# Altium PCB HYDRA_V3_NAV.PcbDoc (part 2 of 2) (continued)
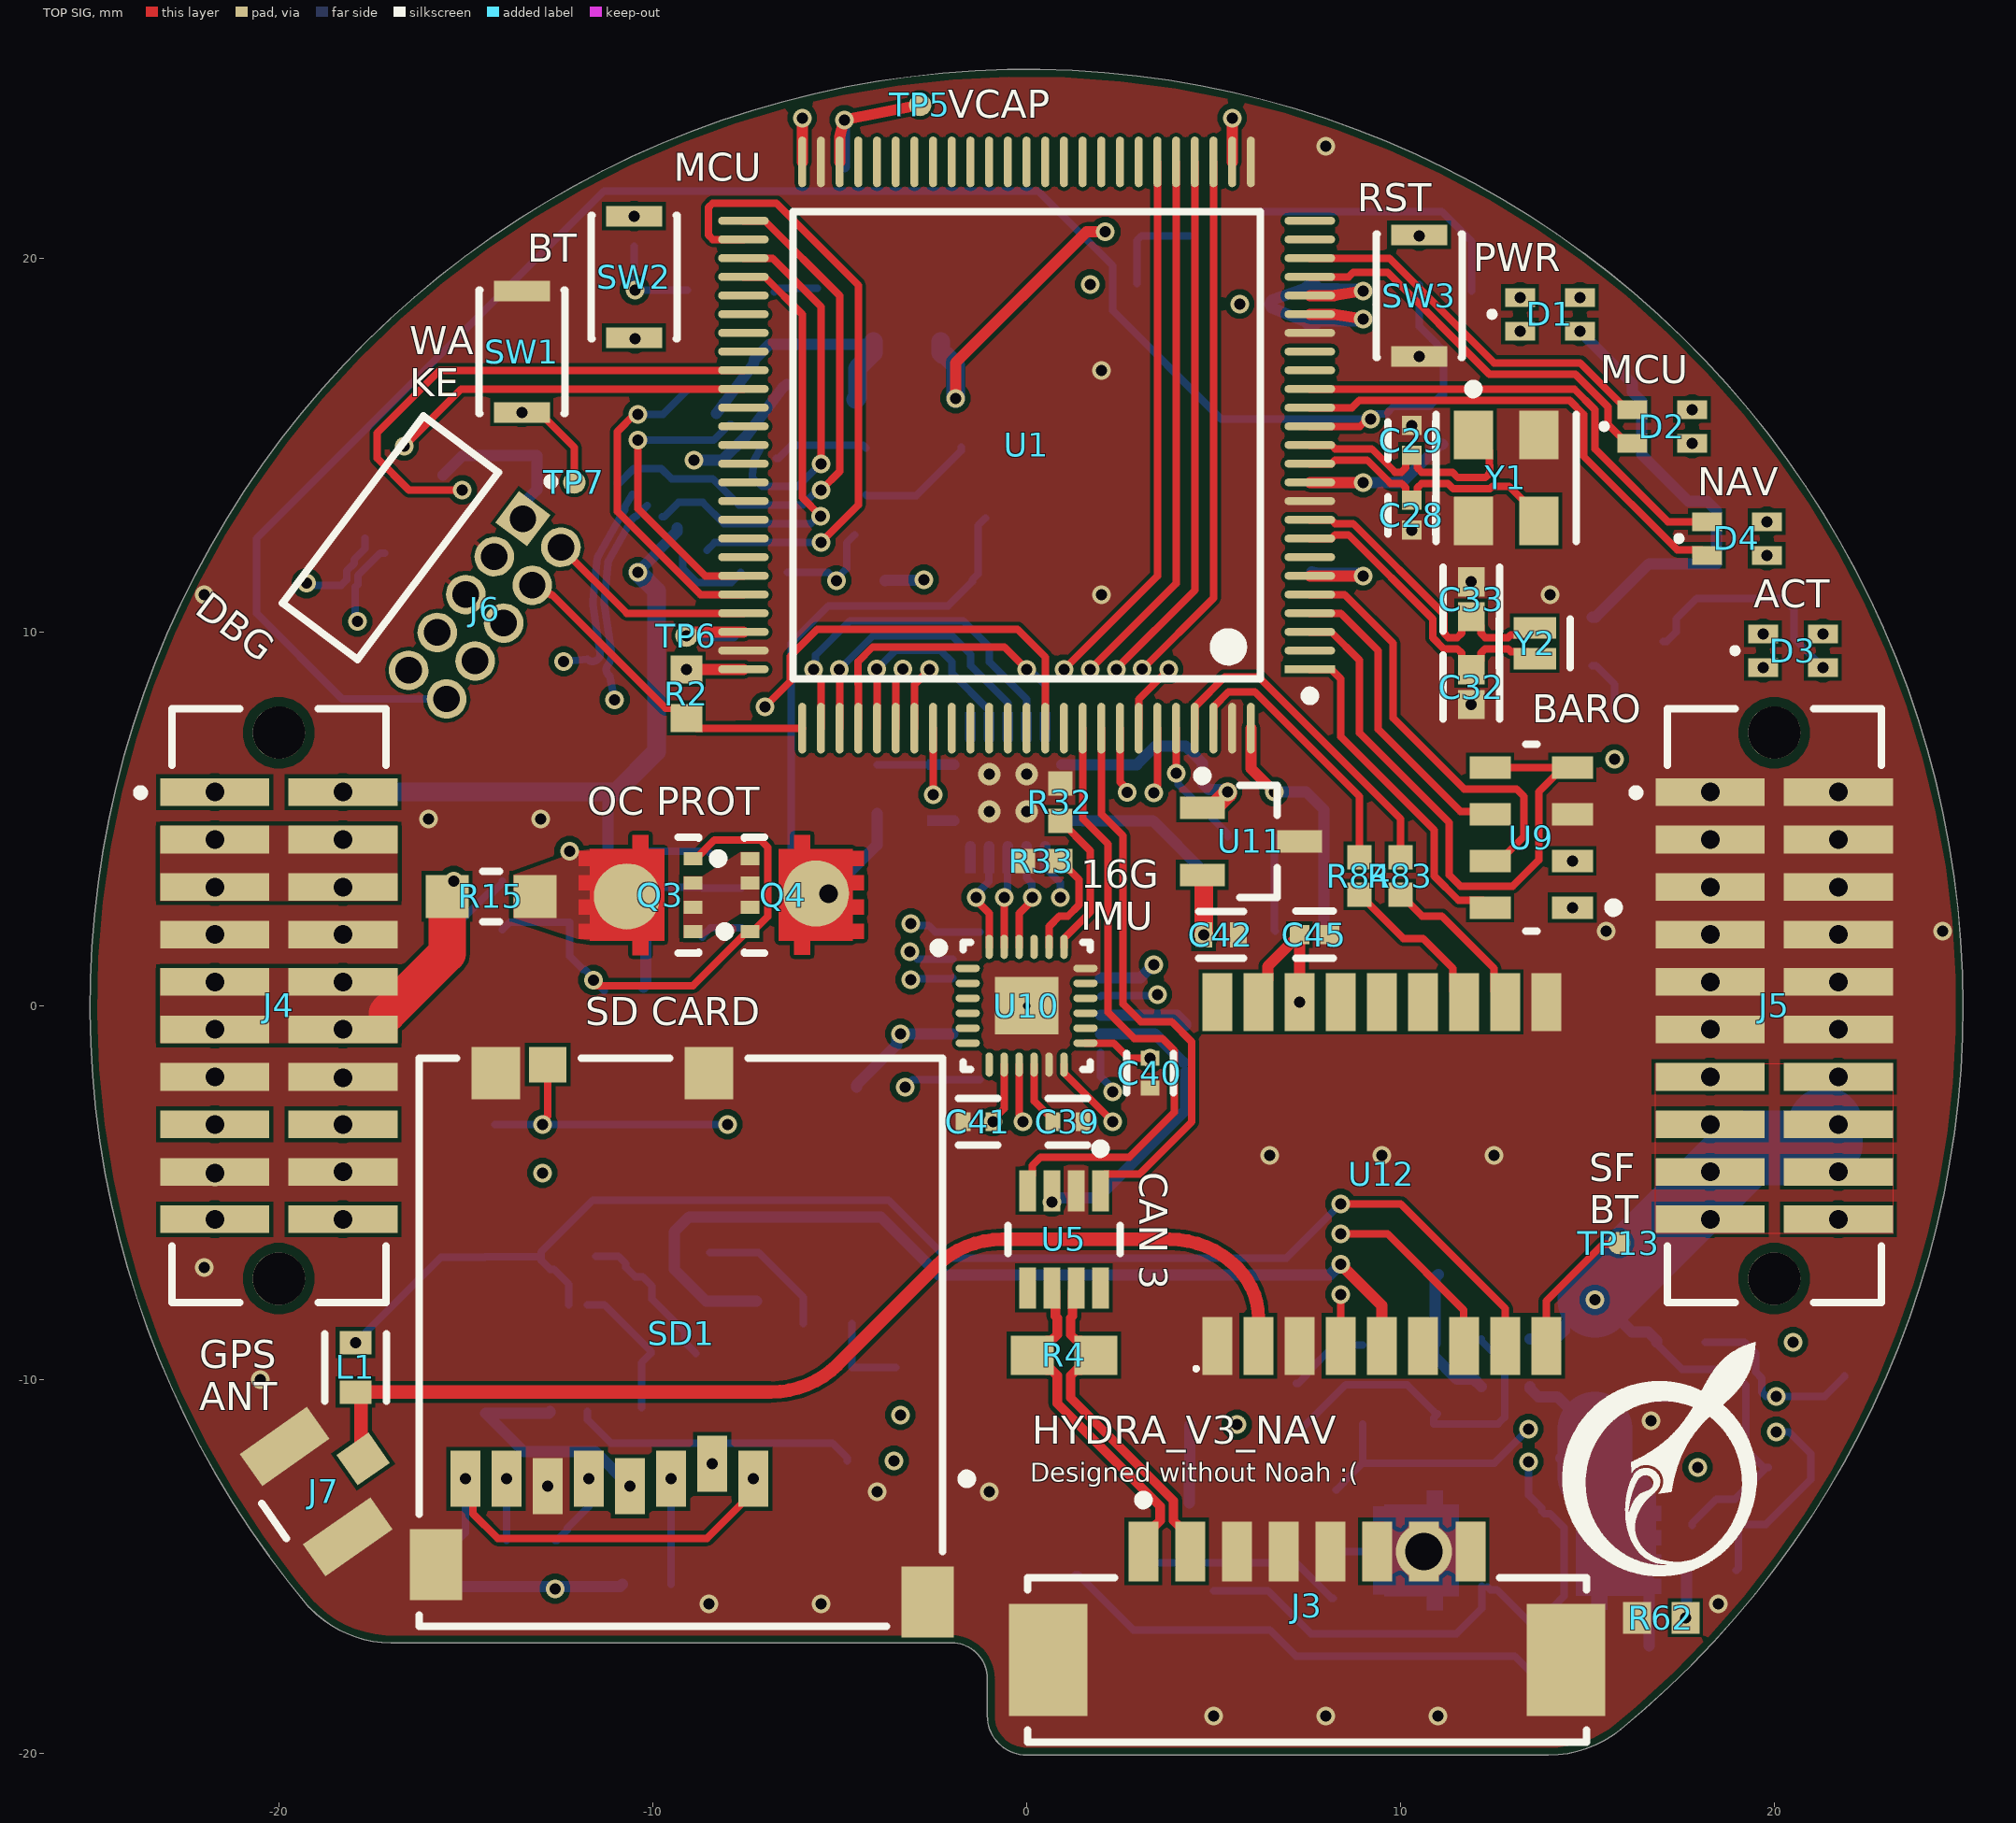
[diagram p0: TOP SIG view]
## Nets (pads, with @x,y where several pads share a name; then routed paths per layer and width w, separated by ;. In a path a pad name is that pad's centre, name@x,y a point inside that pad or via, vN(x,y) a via of type N, cw(c..) or ccw(c..) an arc to the next point about the centre after c; other vN are vias at no path point) (continued)
  other v3: -1,5.2 0,5.2 -1,6.2 0,6.2
GPS_ENABLE: R49.1 U1.96 | length 3.5
  TOP SIG w0.2: v1(4,6.225) U1.96@4,7.425
  BOTTOM SIG w0.2: v1(4,6.225) 4.057,6.168 4.057,5.918 5.375,4.6 R49.1@5.375,4.525
GPS_PWR: C45.1 Q8.3 U12.16 U12.17 | length 3.6
  TOP SIG w0.3: U12.17@6.275,0.525 6.45,0.7 6.45,1.05 C45.1@7.3,1.9 7.3,0.125 U12.16@7.35,0.075
  other v1: 7.3,0.1
GPS_RESET: U12.18
I_SENSE: R69.2 U15.1 | length 2.2
  BOTTOM SIG w0.2: R69.2@7.21,-10.111 7.263,-10.111 7.491,-9.883 7.491,-9.83 8.235,-9.086 U15.1@8.985,-9.086
IMU0_MISO: U1.30 U8.9 | length 25.7
  TOP SIG w0.2: v1(1.704,8.996) 1.704,9.004 4,11.3 U1.30@4,22.575
  GND w0.2: v1(1.704,8.996) 1.704,7.306 1.5,7.102 1.5,2.293 3.493,0.3 v1(3.5,0.3)
  BOTTOM SIG w0.2: U8.9@1.975,0.25 2,0.275 3.475,0.275 v1(3.5,0.3)
IMU0_MOSI: U1.31 U8.1 | length 25.7
  TOP SIG w0.2: v1(1,9) 3.5,11.5 U1.31@3.5,22.575
  GND w0.2: v1(-3.1,2.2) -3.1,6 -0.7,8.4 0.4,8.4 v1(1,9)
  BOTTOM SIG w0.2: v1(-3.1,2.2) -3.043,2.143 -2.618,2.143 -2.45,1.975 U8.1@-1.25,1.975
IMU0_nCS: U1.28 U8.23 | length 30.8
  TOP SIG w0.2: v1(3.096,9.004) 5,10.907 U1.28@5,22.575
  GND w0.2: v1(-3.1,0.7) -4.1,1.7 -4.1,6.5 -0.6,10 2.107,10 3.096,9.011 v1(3.096,9.004)
  BOTTOM SIG w0.2: v1(-3.1,0.7) -3.075,0.725 -2,0.725 U8.23@-1.975,0.75
IMU0_nRESET: R31.1 U1.83 U8.18 | length 12
  TOP SIG w0.2: v1(-2.5,5.65) U1.83@-2.5,7.425
  PWR + INT SIG w0.2: v1(-3.25,-2.175) -2.5,-1.425 v1(-2.5,5.65)
  BOTTOM SIG w0.2: v1(-3.25,-2.175) -3.05,-1.975 U8.18@-1.25,-1.975
IMU0_ODR: U1.93 U8.12 | length 11.2
  TOP SIG w0.2: U1.93@2.5,7.425 2.5,5.981 2.696,5.785 v1(2.696,5.704)
  PWR + INT SIG w0.2: v1(2.3,-2.3) 2.3,-1.627 2.302,-1.625 2.302,5.298 2.696,5.693 v1(2.696,5.704)
  BOTTOM SIG w0.2: U8.12@1.975,-1.25 1.975,-1.894 2.3,-2.219 v1(2.3,-2.3)
IMU0_SCLK: U1.29 U8.24 | length 28.3
  TOP SIG w0.2: v1(2.404,8.996) 2.404,9.018 4.5,11.114 U1.29@4.5,22.575
  GND w0.2: v1(-3.119,1.45) -3.2,1.45 -3.6,1.85 -3.6,6.3 -0.4,9.5 1.907,9.5 2.404,9.004 v1(2.404,8.996)
  BOTTOM SIG w0.2: v1(-3.119,1.45) -2.919,1.25 U8.24@-1.975,1.25
IMU1_MISO: U1.79 U16.13 | length 8.3
  TOP SIG w0.2: U1.79@-4.5,7.425 -4.5,8.604 -4.504,8.608 -4.504,9.211 -4.114,9.6 -0.6,9.6 v1(0,9)
  BOTTOM SIG w0.2: v1(0,9) 0.081,9 0.5,8.581 U16.13@0.5,7.7
IMU1_MOSI: U1.80 U16.10 | length 6.1
  TOP SIG w0.2: v1(-4.004,9.004) -4.002,9.002 -4.002,7.426 U1.80@-4,7.425
  BOTTOM SIG w0.2: v1(-4.004,9.004) -4.004,9.011 -3.511,9.504 -2.304,9.504 -2,9.2 -2,8.9 -1.01,7.91 -1.01,7.435 U16.10@-1,7.425
IMU1_nCS: U1.77 U16.12 | length 9.7
  TOP SIG w0.2: v1(-5.7,9) -5.7,8.919 -5.5,8.719 U1.77@-5.5,7.425
  BOTTOM SIG w0.2: v1(-5.7,9) -5.643,9.057 -5.643,9.378 -4.72,10.3 -1.7,10.3 -1,9.6 -1,9.2 0,8.2 U16.12@0,7.7
IMU1_ODR: U1.95 U10.12 | length 13.1
  TOP SIG w0.2: U10.12@1,-1.575 1,-1.8 v1(2.3,-3.1) ; v1(3.4,5.7) 3.4,5.781 3.5,5.881 U1.95@3.5,7.425
  PWR + INT SIG w0.2: v1(2.3,-3.1) 2.8,-2.6 2.8,5.1 v1(3.4,5.7)
IMU1_SCLK: U1.78 U16.11 | length 7.8
  TOP SIG w0.2: v1(-5.004,9) -5.002,8.998 -5.002,7.426 U1.78@-5,7.425
  BOTTOM SIG w0.2: v1(-5.004,9) -4.104,9.9 -2,9.9 -1.5,9.4 -1.5,9.1 -0.5,8.1 U16.11@-0.5,7.7
INT_5V_SENSE: R8.1 R10.1 | length 1.2
  BOTTOM SIG w0.2: R10.1@-6.75,19.1 -6.65,19.2 R8.1@-5.6,19.2
LNA_EN: R52.1 U12.4 | length 14.5
  TOP SIG w0.2: U12.4@8.4,-9.1 v1(8.4,-7.725)
  PWR + INT SIG w0.2: v1(-3.375,-10.95) -0.15,-7.725 v1(8.4,-7.725)
MCU_G_LED: D2.1 U1.22 | length 10.8
  TOP SIG w0.2: U1.22@7.575,19.5 8.617,19.5 8.742,19.625 9.65,19.625 12.377,16.898 14.675,16.898 15.55,16.023 15.55,15.55 16.05,15.05 D2.1@16.2,15.05
MCU_R_LED: D2.4 U1.23 | length 10.3
  TOP SIG w0.2: U1.23@7.575,20 9.702,20 12.502,17.2 14.8,17.2 16.05,15.95 D2.4@16.2,15.95
NAV_G_LED: D4.1 U1.15 | length 13.1
  TOP SIG w0.2: U1.15@7.575,16 8.7,16 8.898,16.198 11.71,16.198 11.713,16.195 14.525,16.195 14.898,15.822 14.898,14.702 17.4,12.2 18.05,12.2 D4.1@18.2,12.05
NAV_R_LED: D4.4 U1.16 | length 12.7
  TOP SIG w0.2: U1.16@7.575,16.5 14.647,16.5 15.2,15.947 15.2,14.9 17.15,12.95 D4.4@18.2,12.95
NetC12_2: C12.2 C13.2 TP5.1 U1.48 | length 4.5
  TOP SIG w0.3: U1.48@-5,22.575 -5,23.209 cw(c-4.7,23.209) -4.989,23.289 v1(-4.875,23.7) TP5.1@-2.85,24.1
  BOTTOM SIG w0.3: C12.2@-4.875,22.45 v1(-4.875,23.7)
NetC14_2: C14.2 C17.2 TP6.1 U1.73 | length 2.8
  TOP SIG w0.3: v1(-9.1,9.9) -9.046,9.9 -8.946,10 U1.73@-7.575,10
  BOTTOM SIG w0.3: v1(-9.1,9.9) C14.2@-7.85,9.9
NetC16_1: C16.1 U4.4 | length 1.4
  BOTTOM SIG w0.2: U4.4@-10.125,4.137 C16.1@-8.675,4.137
NetC25_2: C25.2 R6.2 R7.2 SW1.1 TP7.1 | length 15.8
  TOP SIG w0.2: v1(-13.5,15.875) -13.025,15.875 -12.85,15.7 -12.85,15.687 -12.1,14.937 TP7.1@-12.1,14
  GND w0.2: v1(-13.5,15.875) -9,11.375 v1(-5.09,11.375)
  BOTTOM SIG w0.2: R7.2@-6.4,11.6 -5.315,11.6 v1(-5.09,11.375) -5.09,11.425 -4.815,11.7 -4.815,12.385 C25.2@-4.6,12.6
NetC38_2: C38.2 U8.10 | length 2.4
  BOTTOM SIG w0.3: U8.10@1.975,-0.25 4.025,-0.25 4.25,-0.475 C38.2@4.25,-0.525
NetC39_2: C39.2 U10.10 | length 1.7
  TOP SIG w0.2: U10.10@0.2,-1.575 0.2,-2.55 0.7,-3.05 C39.2@0.7,-3.1
NetC48_1: C48.1 R61.1 R64.2 U14.4 | length 5.1
  BOTTOM SIG w0.2: R61.1@18.15,-9 R64.2@19.2,-9 19.5,-9.3 19.5,-9.8 19.669,-9.969 19.669,-10.344 19.775,-10.45 21.35,-10.45 21.875,-9.925 C48.1@21.875,-9.904
  other v1: 20.05,-10.45
NetD1_1: D1.1 R79.1
  other v1: 13.2,18.05
NetD1_4: D1.4 R80.2
  other v1: 13.2,18.95
NetD2_2: D2.2 R22.1
  other v1: 17.8,15.05
NetD2_3: D2.3 R25.1
  other v1: 17.8,15.95
NetD3_1: D3.1 R19.2
  other v1: 19.7,9.05
NetD3_2: D3.2 Q5.3 | length 6.2
  BOTTOM SIG w0.2: Q5.3@17.025,9.75 17.125,9.75 17.375,10 17.375,10.35 17.925,10.9 20.225,10.9 20.525,10.6 20.525,9.825 v1(21.3,9.05)
NetD3_4: D3.4 R20.1
  other v1: 19.7,9.95
NetD4_2: D4.2 R28.1
  other v1: 19.8,12.05
NetD4_3: D4.3 R30.1
  other v1: 19.8,12.95
NetD5_2: D5.2 R36.2 | length 1.2
  BOTTOM SIG w0.2: D5.2@-8.675,1.827 -8.675,1.867 -8.455,2.087 R36.2@-7.625,2.087
NetD7_2: D7.2 R62.2 | length 1.3
  BOTTOM SIG w0.3: v1(17.625,-16.375) 17.655,-16.345 D7.2@17.655,-15.1
NetQ3_1: Q3.1 Q3.2 Q3.3 Q4.1 Q4.2 Q4.3
NetQ5_1: Q5.1 R18.2 | length 1.6
  BOTTOM SIG w0.2: Q5.1@15.125,9.1 15.225,9.1 15.725,8.6 R18.2@15.725,7.85
NetQ6_1: Q6.1 R24.1 R35.2 | length 3.2
  BOTTOM SIG w0.2: R24.1@-4.3,13.675 -4.275,13.65 R35.2@-3,13.65 -2.95,13.65 -2,14.6 -1.75,14.85 Q6.1@-1.75,14.95
NetQ6_3: Q6.3 R21.1 R23.1 | length 14
  BOTTOM SIG w0.2: R23.1@-6.45,3.187 -6.3,3.337 -6.3,9.7 -5.3,10.7 -2.1,10.7 -1.45,11.35 R21.1@-1.45,11.4 -1.3,11.55 -1.3,12.85 Q6.3@-1.1,13.05
NetQ8_1: Q8.1 R48.1 R49.2 | length 2.5
  BOTTOM SIG w0.2: R49.2@6.625,4.525 6.625,2.025 Q8.1@6.65,2
NetQ9_1: Q9.1 Q10.2 R50.1 | length 3.7
  BOTTOM SIG w0.2: Q9.1@-8.475,-6.6 R50.1@-7.225,-6.6 -7.175,-6.6 -5.975,-7.8 Q10.2@-5.975,-8.5
NetQ9_3: Q9.3 R51.2 R53.2 | length 4.2
  BOTTOM SIG w0.2: R51.2@-11.525,-6.7 -10.925,-6.7 -10.725,-6.9 -10.725,-7 -10.475,-7.25 Q9.3@-10.375,-7.25 -10.275,-7.25 -10.025,-7.5 -10.025,-7.85 -9.15,-8.725 -9.15,-9 R53.2@-8.85,-9.3
NetQ10_1: Q10.1 R52.2 R54.2 | length 2.4
  BOTTOM SIG w0.2: Q10.1@-4.675,-8.5 R54.2@-4.675,-9.675 R52.2@-3.5,-9.675
NetQ11_1: Q11.1 Q11.2 Q11.3 Q12.1 Q12.2 Q12.3
NetQ14_1: Q14.1 R67.1 R68.2 | length 2.1
  BOTTOM SIG w0.3: 4.35,-13.3 R68.2@4.35,-12.507 4.362,-12.494 4.362,-11.219 R67.1@4.375,-11.207
NetQ17_1: Q17.1 R75.2 R81.1 | length 2.6
  BOTTOM SIG w0.2: R81.1@2.95,19.325 2.95,20.475 R75.2@3.075,20.6 Q17.1@4.35,20.6
NetQ17_3: Q17.3 R80.1 | length 7.3
  BOTTOM SIG w0.2: Q17.3@6.25,21.25 11.1,21.25 11.9,20.45 R80.1@11.9,19.125
NetR7_1: R7.1 U6.9 | length 2.2
  BOTTOM SIG w0.2: U6.9@-9.2,12.09 -9.2,11.7 -8.825,11.325 -7.9,11.325 -7.65,11.575 R7.1@-7.65,11.6
NetR16_1: R16.1 R17.2 | length 1.9
  BOTTOM SIG w0.2: R17.2@-15.325,2.037 -15.325,2.087 -14.4,3.012 -14.3,3.012 -14.025,3.287 R16.1@-14.025,3.337
NetR26_2: R26.2 SW2.1
  other v1: -10.475,17.85
NetR27_2: R27.2 SW3.1
  other v1: 10.5,20.6
NetR32_1: R32.1 U10.19 | length 4
  TOP SIG w0.2: R32.1@0.9,4.95 1.702,4.148 1.702,2.502 1,1.8 U10.19@1,1.575
NetR33_1: R33.1 U10.20 | length 3
  TOP SIG w0.2: U10.20@0.6,1.575 0.6,2.12 0.88,2.4 1.107,2.4 1.4,2.693 1.4,3.375 R33.1@0.9,3.875
NetR34_1: R34.1 U16.8 | length 1.5
  BOTTOM SIG w0.2: R34.1@-4,6.45 U16.8@-2.51,6.45
NetR56_2: R56.2 U13.4 | length 7.7
  BOTTOM SIG w0.2: U13.4@-11.75,-10.85 -11.75,-11.075 -11.725,-11.1 -11.125,-11.7 -5.2,-11.7 -4.8,-12.1 R56.2@-4.8,-12.175
NetR69_1: R69.1 R70.2 U15.4 | length 9.3
  BOTTOM SIG w0.2: R69.1@7.21,-11.413 7.263,-11.413 8.539,-10.137 10.172,-10.137 U15.4@10.885,-10.85 ; U15.4@10.991,-10.923 U15.4@10.885,-11.03 ; R70.2@12.16,-8.912 12.16,-8.962 12.787,-9.588 12.787,-11.012 12.611,-11.187 U15.4@10.885,-11.187 ; U15.4@10.885,-11.187 U15.4@10.885,-11.03 ; U15.4@10.885,-11.187 U15.4@10.885,-11.03
NetR71_2: R71.2 R72.2 U15.3 | length 3.8
  BOTTOM SIG w0.3: R72.2@11.011,-7.187 10.929,-7.269 10.929,-9.042 U15.3@10.885,-9.086 10.885,-9.362 11.517,-9.994 11.967,-9.994 R71.2@12.16,-10.187
NetR82_2: R82.2 U9.2
  other v1: 14.6,3.875
NetR83_1: R83.1 U1.97 | length 9
  TOP SIG w0.2: U1.97@4.5,7.425 4.5,7.996 5.304,8.8 6.2,8.8 10,5 R83.1@10,3.975
NetR84_1: R84.1 U1.98 | length 7.4
  TOP SIG w0.2: U1.98@5,7.425 5,7.996 5.404,8.4 6.1,8.4 8.9,5.6 R84.1@8.9,3.975
NetTP13_1: TP13.1 U12.9 | length 3.8
  TOP SIG w0.2: U12.9@13.9,-9.1 13.9,-7.9 15.426,-6.374 15.826,-6.374 TP13.1@15.85,-6.35
POST_SHUNT: Q11.5-6-7-8 R59.2 R63.2 R71.1 U14.3 | length 14
  BOTTOM SIG w0.3: R71.1@13.46,-10.187 13.46,-10.237 13.685,-10.462 14.197,-10.462 R59.2@15.06,-11.325 ; R59.2@14.285,-12.1 R59.2@15.06,-11.325 ; Q11.5-6-7-8@15.835,-14.563 16.65,-15.378 R63.2@16.65,-17.125 ; 15.835,-13.23 16.38,-13.775 ; U14.3@18.287,-10.45 U14.3@17.95,-10.45 16.215,-10.45 15.34,-11.325 R59.2@15.2,-11.325 R59.2@15.06,-11.325
  BOTTOM SIG w2: R59.2@15.2,-11.325 15.2,-12.595 15.835,-13.23 Q11.5-6-7-8@15.835,-14.563
PRE_5V: J1.03 J1.04 J1.05 J1.06 J4.03 J4.04 J4.05 J4.06
  other v2: -21.715,3.175 -18.285,3.175 -21.715,4.445 -18.285,4.445
PRE_IMU1_MISO: U10.9 U16.2 | length 9.2
  TOP SIG w0.2: U10.9@-0.2,-1.575 -0.2,-2.919 -0.1,-3.019 v1(-0.1,-3.1)
  GND w0.2: v1(-0.1,-3.1) 0.9,-2.1 v1(0.9,2.9)
  BOTTOM SIG w0.2: U16.2@0.5,3.975 0.5,3.69 0.9,3.29 v1(0.9,2.9)
PRE_IMU1_MOSI: U10.24 U16.5 | length 2.4
  TOP SIG w0.2: v1(-1.35,2.9) -1.35,2.822 -1,2.472 U10.24@-1,1.575
  BOTTOM SIG w0.2: v1(-1.35,2.9) -1.35,2.981 -1.01,3.321 U16.5@-1.01,3.677
PRE_IMU1_nCS: U10.22 U16.3 | length 2.6
  TOP SIG w0.2: U10.22@-0.2,1.575 -0.2,2.472 0.15,2.822 v1(0.15,2.9)
  BOTTOM SIG w0.2: U16.3@0,3.975 0,3.415 0.144,3.272 0.144,2.906 v1(0.15,2.9)
PRE_IMU1_SCLK: U10.23 U16.4 | length 2.1
  TOP SIG w0.2: U10.23@-0.6,1.575 -0.6,2.281 v1(-0.6,2.9)
  BOTTOM SIG w0.2: v1@-0.608,2.908 -0.608,2.974 -0.508,3.074 U16.4@-0.508,3.682
PRE_SHUNT: C49.1 J2.13 J2.14 J2.15 J2.16 J2.17 J2.18 J2.19 J2.20 J5.13 J5.14 J5.15 J5.16 J5.17 J5.18 J5.19 J5.20 R59.1 R60.2 R61.2 R70.1 U14.6 U15.6 | length 32.2
  PWR + INT SIG w0.3: v1(13.425,-11.325) 14.183,-10.567 14.483,-10.567 15.202,-9.848 v1(15.202,-7.873)
  BOTTOM SIG w0.2: C49.1@8.275,-12.95 8.296,-12.95 8.483,-12.764 8.483,-12.742 8.985,-12.24 ; U15.6@8.985,-11.187 8.985,-12.24 ; v1(13.425,-11.325) 12.51,-12.24 8.985,-12.24 ; R61.2@16.85,-9 16.85,-9.05 17.525,-9.725 18.819,-9.725 19.246,-10.153 19.246,-11.883 19.713,-12.35 19.835,-12.35 19.802,-12.35 18.952,-13.2 18.45,-13.2 17.8,-13.85 R60.2@17.8,-13.9
  BOTTOM SIG w0.3: R70.1@13.46,-8.912 14.163,-8.912 14.385,-8.69 14.385,-8.55 15.06,-7.875 R59.1@15.2,-7.875 ; v1(15.202,-7.873) 15.338,-7.873 16.19,-8.725 16.625,-8.725 16.85,-8.95 R61.2@16.85,-9
  BOTTOM SIG w2: R59.1@15.2,-7.875 v1(15.202,-7.873) 19.27,-3.805 21.255,-3.805 21.365,-3.695 J2.16@21.365,-3.175
  other v2: 18.285,-5.715 21.715,-5.715 18.285,-4.445 21.715,-4.445 18.285,-3.175 21.715,-3.175 18.285,-1.905 21.715,-1.905
RESETN: C1.1 C31.1 J6.10 R27.1 R29.2 U1.14 | length 52.1
  TOP SIG w0.2: U1.14@7.575,15.5 8.92,15.5 9.119,15.698 v1(9.2,15.698)
  BOTTOM SIG w0.2: J6.10@-15.514,8.207 -18.307,8.207 -20.6,10.5 -20.6,12.5 -11.3,21.8 0.3,21.8 2.3,19.8 2.3,18.6 5.202,15.698 v1(9.2,15.698) C31.1@9.212,15.687 9.354,15.829 9.614,15.829 9.822,16.037 10.787,16.037 11.075,16.325 R29.2@11.125,16.325 11.15,16.35 11.15,17.525 10.962,17.713 10.962,17.719 10.844,17.837 10.838,17.837 C1.1@10.5,18.175 R27.1@10.5,19.3
RF_IN: J7.1 L1.2 U12.2 | length 29.4
  TOP SIG w0.355: J7.1@-17.751,-12.125 -17.803,-12.073 -17.803,-10.484 L1.2@-17.95,-10.338 -6.84,-10.338 ccw(c-6.84,-7.798) -5.044,-9.594 -2.444,-6.994 cw(c-0.648,-8.79) -0.648,-6.25 3.823,-6.25 cw(c3.823,-8.79) 5.619,-6.994 5.65,-7.025 cw(c4.322,-8.353) 6.2,-8.353 U12.2@6.2,-9.1
RXD: R84.2 U12.12 | length 4.3
  TOP SIG w0.2: R84.2@8.9,2.975 10.075,1.8 10.6,1.8 11.4,1 11.4,0.4 U12.12@11.7,0.1
SD_CD: R42.1 R43.2 SD1.9 U1.82 | length 25.7
  TOP SIG w0.2: v1(-12.95,-3.175) -12.95,-3.094 -12.81,-2.954 SD1.9@-12.81,-1.575 ; U1.82@-3,7.425 -3,8.593 -2.6,8.993 v1(-2.6,9)
  GND w0.2: v1(-8,-3.175) -8,6.5 -7.6,6.9 -4.7,6.9 v1(-2.6,9)
  BOTTOM SIG w0.2: R43.2@-14.225,-3.175 v1(-12.95,-3.175) v1(-8,-3.175)
SD_CLK: R44.1 SD1.5 U1.52 U6.8 | length 48.7
  TOP SIG w0.2: U1.52@-7.575,20.5 -8.391,20.5 -8.508,20.617 -8.508,21.358 -8.391,21.475 -6.7,21.475 -4.5,19.275 -4.5,13.4 v1(-5.5,12.4)
  GND w0.2: v1(-11.71,-12.66) -10,-10.95 -10,7.3 -6.425,10.875 -4.883,10.875 -4.59,11.168 -4.59,11.89 -5.1,12.4 v1(-5.5,12.4)
  BOTTOM SIG w0.2: R44.1@-12.61,-14.3 -12.56,-14.3 -12.285,-14.025 -12.285,-13.975 -11.71,-13.4 v1(-11.71,-12.66) ; U6.8@-8.553,12.18 -8.341,12.391 -5.509,12.391 v1(-5.5,12.4)
SD_CMD: R45.1 SD1.3 U1.54 U6.11 | length 44.9
  TOP SIG w0.2: U1.54@-7.575,19.5 -7.004,19.5 -6,18.496 -6,13.593 v1(-5.507,13.1)
  GND w0.2: v1(-9.51,-12.66) -9.51,7.09 -6.2,10.4 -4.6,10.4 -4.1,10.9 -4.1,12.2 -5,13.1 v1(-5.507,13.1)
  BOTTOM SIG w0.2: U6.11@-9.751,13.082 -9.692,13.082 -9.31,13.465 -8.665,13.465 -8.1,12.9 -5.767,12.9 -5.567,13.1 v1(-5.507,13.1) ; R45.1@-9.51,-15.475 v1(-9.51,-12.66)
SD_CS: SD1.2 U1.81 | length 26.8
  TOP SIG w0.2: U1.81@-3.5,7.425 -3.5,8.726 -3.304,8.922 v1(-3.304,9.004)
  GND w0.2: v1(-8.41,-12.26) -8.467,-12.203 -8.467,-12.043 -8.517,-11.993 -8.517,6.683 -7.8,7.4 -4.9,7.4 -3.304,8.996 v1(-3.304,9.004)
SD_DAT0: R46.1 SD1.7 U1.53 U6.6 | length 48.3
  TOP SIG w0.2: U1.53@-7.575,20 -6.8,20 -5.5,18.7 v1(-5.5,14.5)
  GND w0.2: v1(-13.91,-12.66) -13.17,-13.4 -9.5,-13.4 -9,-12.9 -9,6.9 -6,9.9 -4.313,9.9 -3.6,10.613 -3.6,12.607 -5.493,14.5 v1(-5.5,14.5)
  BOTTOM SIG w0.2: R46.1@-13.91,-14.3 v1(-13.91,-12.66) ; U6.6@-7.095,14.945 -7.287,14.603 -7.34,14.218 -7.34,14.122 -7.271,14.054 -7.067,13.9 -6.107,13.9 -5.507,14.5 v1(-5.5,14.5)
SD_DAT_PULL_UP: R47.1 SD1.1 SD1.8 | length 11.4
  TOP SIG w0.2: v1(-15.01,-12.66) -14.807,-12.863 -14.807,-13.593 -14.15,-14.25 -8.55,-14.25 -7.31,-13.01 v1(-7.31,-12.66)
  BOTTOM SIG w0.2: R47.1@-15.21,-14.3 -15.01,-14.1 v1(-15.01,-12.66)
SHDN_3V3: D5.1 R23.2 U4.5 | length 2.6
  BOTTOM SIG w0.2: U4.5@-10.125,3.187 -10.105,3.167 -8.695,3.167 D5.1@-8.675,3.147 -7.64,3.147 R23.2@-7.6,3.187
SWCLK: J6.04 R2.2 U1.76 | length 8.8
  TOP SIG w0.2: J6.04@-13.221,11.25 -12.989,11.25 -12.738,10.999 -12.699,10.999 -9.662,7.962 -9.362,7.962 -8.825,7.425 -7.796,7.425 ; -7.796,7.425 U1.76@-6,7.425
SWDIO: J6.02 U1.72 | length 5.6
  TOP SIG w0.2: J6.02@-12.457,12.264 -10.693,10.5 U1.72@-7.575,10.5
SWO: J6.06 U1.89 | length 18.9
  TOP SIG w0.2: v1(-7,8) -6.325,8.675 -6.325,9.35 -5.6,10.075 -0.25,10.075 0.5,9.325 U1.89@0.5,7.425
  PWR + INT SIG w0.254: J6.06@-13.986,10.236 -11.736,10.236 -9.5,8 v1(-7,8)
TXD: R83.2 U12.11 | length 4.3
  TOP SIG w0.2: R83.2@10,2.975 10.575,2.4 11.1,2.4 12.5,1 12.5,0.4 U12.11@12.8,0.1
V_SENSE: R65.2 R66.2 | length 5.8
  BOTTOM SIG w0.2: R66.2@2.9,-15.225 3.225,-14.9 7.2,-14.9 8.15,-15.85 R65.2@8.2,-15.85
VCC: C24.2 C27.2 D1.3 J1.01 J1.02 J4.01 J4.02 R6.1 R13.1 R21.2 U4.6 U6.10 U7.1 | length 61.3
  TOP SIG w0.3: v1(-1.9,16.25) -1.9,17.2 1.604,20.704 v1(2.104,20.704)
  PWR + INT SIG w0.5: v1(-10.4,11.6) -5.75,16.25 v1(-1.9,16.25) -0.35,14.7 -0.35,13.8 v1(-2.75,11.4)
  GND w0.3: v1(2.104,20.704) 2.6,21.2 12.55,21.2 v1(14.8,18.95)
  BOTTOM SIG w0.3: -11.2,5.715 -11.2,2.975 -10.462,2.237 U4.6@-10.125,2.237 -10.187,2.175 -10.187,0.563 R13.1@-10.25,0.5 ; v1(-10.4,11.6) -9.905,12.095 -9.905,12.131 -9.352,12.684 U6.10@-9.352,12.781 ; R6.1@-3.79,11.375 -3.778,11.387 -2.763,11.387 v1(-2.75,11.4)
  BOTTOM SIG w0.5: v2(-18.285,5.715) -10.985,5.715 C24.2@-9.9,6.8 -9.9,7.81 -9.894,7.816 -9.894,11.094 v1(-10.4,11.6) ; U7.1@-2.3,17.775 -2.3,17.475 -2.25,17.425 -2.193,17.425 -1.9,17.132 v1(-1.9,16.25)
  other v2: -21.715,5.715
VCC_RF: Q9.2 R50.2 U12.5 | length 24.9
  TOP SIG w0.3: v1(8.4,-6.917) 9.5,-8.017 U12.5@9.5,-9.1
  BOTTOM SIG w0.3: R50.2@-7.225,-7.9 Q9.2@-8.475,-7.9 -8.575,-7.9 -9.425,-7.05 -9.425,-6.05 -9.025,-5.65 -3.9,-5.65 -2.35,-7.2 8.117,-7.2 v1(8.4,-6.917)
VDDA: C10.1 C11.2 C20.1 C21.2 FB1.2 U1.20 U1.21 | length 8.5
  TOP SIG w0.3: U1.20@7.575,18.5 8.177,18.5 cw(c8.177,18.2) 8.223,18.496 v1(9,18.375) ; U1.21@7.575,19 8.201,19 ccw(c8.201,19.3) 8.249,19.004 v1(9,19.125)
  BOTTOM SIG w0.3: C10.1@7.625,19.396 C10.1@7.645,19.374 ; v1(9,18.375) 8.9,18.325 7.811,18.311 C20.1@7.625,18.104 7.439,18.311 6.55,18.675 FB1.2@6.5,18.775 6.55,18.875 7.439,19.189 C10.1@7.645,19.374 ; C11.2@9,19.15 8.9,19.175 7.811,19.189 C10.1@7.645,19.374
X32_N: C33.1 U1.9 Y2.2 | length 8.4
  TOP SIG w0.2: U1.9@7.575,13 8.15,13 8.249,12.901 8.733,12.901 11.165,10.469 11.165,9.968 11.282,9.851 11.521,9.851 11.638,9.968 11.638,10.153 C33.1@11.894,10.409 12.15,10.153 12.15,9.968 12.267,9.851 12.631,9.851 12.875,9.851 12.95,9.925 13.406,9.925 Y2.2@13.594,10.113
X32_P: C32.1 U1.8 Y2.1 | length 8.4
  TOP SIG w0.2: U1.8@7.575,12.5 8.15,12.5 8.249,12.599 8.608,12.599 10.863,10.344 10.863,9.843 11.157,9.549 11.521,9.549 11.638,9.432 11.638,9.247 C32.1@11.894,8.991 12.15,9.247 12.15,9.432 12.267,9.549 12.506,9.549 12.875,9.549 12.95,9.475 13.406,9.475 Y2.1@13.594,9.288
X_N: C29.1 U1.13 Y1.1 | length 7
  TOP SIG w0.2: U1.13@7.575,15 8.15,15 8.249,14.901 9.233,14.901 9.858,14.276 10.029,14.276 10.146,14.393 10.146,14.571 C29.1@10.3,14.725 10.454,14.571 10.454,14.393 10.571,14.276 11.389,14.276 11.537,14.128 12.272,14.128 12.389,14.245 12.389,14.445 12.375,14.459 12.375,14.85 Y1.1@11.95,15.275
X_P: C28.1 U1.12 Y1.3 | length 7.5
  TOP SIG w0.2: U1.12@7.575,14.5 8.15,14.5 8.249,14.599 9.108,14.599 9.733,13.974 10.029,13.974 10.146,13.857 10.146,13.679 C28.1@10.3,13.525 10.454,13.679 10.454,13.857 10.571,13.974 11.264,13.974 11.412,13.827 12.397,13.827 12.462,13.892 12.908,13.892 13.7,13.1 Y1.3@13.7,12.975
pads on no net: J1. J2. J4. J5. J6.07 J6.08 J6.09 U1.2 U1.7 U1.17 U1.18 U1.24 U1.25 U1.32 U1.33 U1.34 U1.35 U1.36 U1.37 U1.38 U1.39 U1.40 U1.41 U1.42 U1.43 U1.44 U1.45 U1.46 U1.47 U1.55 U1.56 U1.57 U1.58 U1.61 U1.62 U1.63 U1.64 U1.65 U1.66 U1.67 U1.68 U1.69 U1.84 U1.85 U1.86 U1.87 U1.88 U1.90 U2.5 U2.8 U5.5 U5.8 U8.6 U8.13 U8.19 U8.21 U10.1 U10.2 U10.3 U10.4 U10.5 U10.6 U10.7 U10.14 U10.15 U10.16 U10.17 U10.21 U12.6 U12.13 U12.14 U12.15 U13.1 U15.5 U16.6 U16.9
copper on no net:
  other v6: 0,0

## Polygon pours and split planes (outlines as drawn)
GND on TOP SIG "GND_L01_P022" (solid, remove dead copper, pour order 22): -15.806,-19.201 ccw(c-13.96,-17) -13.96,-19.873 13.96,-19.873 ccw(c13.96,-17) 15.806,-19.201 cw(c15.888,-19.298) 15.949,-19.186 ccw(c0,0) 24.95,0 ccw(c0,0) -15.949,-19.186 cw(c-15.888,-19.298)
PRE_5V on TOP SIG "PRE_5V_L01_P003" (solid, remove dead copper, pour order 3): -23.175,4.815 -16.825,4.815 -16.825,2.805 -23.175,2.805
3V3_PRE_SHUNT on TOP SIG "3V3_PRE_SHUNT_L01_P007" (solid, remove dead copper, pour order 7): -23.175,1.005 -16.825,1.005 -16.825,-1.005 -23.175,-1.005
3V3_POST_SHUNT on TOP SIG "3V3_POST_SHUNT_L01_P017" (solid, remove dead copper, pour order 17): -13.725,3.497 -11.975,4.135 -11.7,4.185 -9.695,4.185 -9.695,1.735 -11.65,1.735 -11.675,1.735 -12.013,1.785 -13.725,2.347
NetQ3_1 on TOP SIG "NETQ3_1_L01_P019" (solid, remove dead copper, pour order 19): -9.175,3.46 -9.175,1.81 -8.675,1.81 -7.65,2.46 -7.15,2.46 -7.15,4.11 -7.65,4.11 -8.675,3.46
no net on TOP SIG "NONET_L01_P024" (solid, remove dead copper, pour order 24): 16.825,-1.55 23.175,-1.55 23.175,-6.1 16.825,-6.1
ACT_PWR on TOP SIG "ACT_PWR_L01_P023" (solid, remove dead copper, pour order 23): 8.975,-13.8 12.275,-13.8 12.275,-15.4 8.975,-15.4
GND on PWR + INT SIG "GND_L02_P012" (solid, remove dead copper, pour order 12): -15.806,-19.201 ccw(c-13.96,-17) -13.96,-19.873 13.96,-19.873 ccw(c13.96,-17) 15.806,-19.201 cw(c15.888,-19.298) 15.949,-19.186 ccw(c0,0) 24.95,0 ccw(c0,0) -15.949,-19.186 cw(c-15.888,-19.298)
PRE_SHUNT on PWR + INT SIG "PRE_SHUNT_L02_P011" (solid, remove dead copper, pour order 11): 16.825,-1.55 23.175,-1.55 23.175,-6.1 16.825,-6.1
3V3_PRE_SHUNT on PWR + INT SIG "3V3_PRE_SHUNT_L02_P010" (solid, remove dead copper, pour order 10): -23.175,1.005 -16.825,1.005 -16.825,-1.005 -23.175,-1.005
PRE_5V on PWR + INT SIG "PRE_5V_L02_P009" (solid, remove dead copper, pour order 9): -23.175,4.815 -16.825,4.815 -16.825,2.805 -23.175,2.805
VCC on PWR + INT SIG "VCC_L02_P008" (solid, remove dead copper, pour order 8): -23.175,6.085 -16.825,6.085 -16.825,5.345 -23.175,5.345
GND on BOTTOM SIG "GND_L04_P020" (solid, remove dead copper, pour order 20): -15.806,-19.201 ccw(c-13.96,-17) -13.96,-19.873 13.96,-19.873 ccw(c13.96,-17) 15.806,-19.201 cw(c15.888,-19.298) 15.949,-19.186 ccw(c0,0) 24.95,0 ccw(c0,0) -15.949,-19.186 cw(c-15.888,-19.298)
NetQ11_1 on BOTTOM SIG "NETQ11_1_L04_P018" (solid, remove dead copper, pour order 18): 12.075,-13.425 12.575,-13.425 13.675,-14.062 14.175,-14.062 14.175,-15.713 13.675,-15.713 12.575,-15.075 12.075,-15.075
no net on BOTTOM SIG "NONET_L04_P025" (solid, remove dead copper, pour order 25): 16.825,-1.55 23.175,-1.55 23.175,-6.1 16.825,-6.1
NetQ11_1 on BOTTOM SIG "NETQ11_1_L04_P021" (solid, remove dead copper, pour order 21): 12.075,-15.075 12.575,-15.075 13.675,-15.713 14.175,-15.713 14.175,-14.062 13.675,-14.062 12.575,-13.425 12.075,-13.425
GND on GND "GND_L03_P015" (solid, remove dead copper, pour order 15): -15.806,-19.201 ccw(c-13.96,-17) -13.96,-19.873 13.96,-19.873 ccw(c13.96,-17) 15.806,-19.201 cw(c15.888,-19.298) 15.949,-19.186 ccw(c0,0) 24.95,0 ccw(c0,0) -15.949,-19.186 cw(c-15.888,-19.298)

## Other copper
TOP SIG:
  text "Check if led datasheet has red and green flipped, make sure I've wired them right" at 25.625,9.65 h1.52

## Silkscreen, mask and mechanical layers (free items; w line width, h text height)
Top Overlay:
  region: 980 vertices and 2 holes, not listed, extent 14.33,-15.265 19.53,-8.999
  text "VCAP" at -2.1,23.75 h0.75
  text "MCU" at -9.44,22.066 h0.75
  text "RST" at 8.85,21.25 h0.75
  text "BT" at -13.35,19.9 h0.75
  text "PWR" at 11.95,19.65 h0.75
  text "MCU" at 15.35,16.65 h0.75
  text "WA / KE" at -16.5,16.3 h0.75
  text "NAV" at 17.95,13.65 h0.75
  text "ACT" at 19.45,10.65 h0.75
  text "DBG" at -22.29,10.53 h0.75 r323
  text "BARO" at 13.525,7.575 h0.75
  text "OC PROT" at -11.749,5.1 h0.75
  text "16G / IMU" at 1.45,2.025 h0.75
  text "SD CARD" at -11.799,-0.525 h0.75
  text "CAN 3" at 3.025,-4.451 h0.75 r270
  text "SF / BT" at 15.05,-5.825 h0.75
  text "GPS / ANT" at -22.125,-10.825 h0.75
  text "HYDRA_V3_NAV" at 0.15,-11.725 h0.75
  text "Designed without Noah :(" at 0.1,-12.733 h0.5
Bottom Overlay:
  text "CAN 0" at -4.2,20.2 h0.75
  text "CAN 1" at -12,15.6 h0.75
  text "64G IMU" at 8.937,7.375 h0.75
  text "GPS ANT SUPV." at -1.95,-5.85 h0.75
  text "ACT PWR / PROT" at 6.899,-10.275 h0.75
  text "ACT CAN+PWR" at 10.324,-18.975 h0.75
Mechanical 1:
  circle w0.1: c0,0 r27
  lines w0.1: -19.268,-15.928 ccw(c-16.97,-14) -16.97,-17 ; -19.151,-16.07 cw(c0,0) 15.868,-19.318 ; -17,-17 -2,-17 cw(c-2,-18) -1,-18 -1,-19 ccw(c0,-19) 0,-20 13.96,-20 ; 13.96,-20 ccw(c13.96,-17) 15.888,-19.298 cw(c13.96,-17) 13.96,-20

## Text inside footprints (layer, text, board x,y; h text height)
U6: Bottom Overlay "*" at -8.89,17.014 h1.27 r53; Bottom 3D Body "*" at -8.865,15.587 h1.27 r53